# KiCad board DecentXE.kicad_pcb
title: Decent XE Keyboard; date: 2023-08-01; rev: 14; company: Decent Consulting
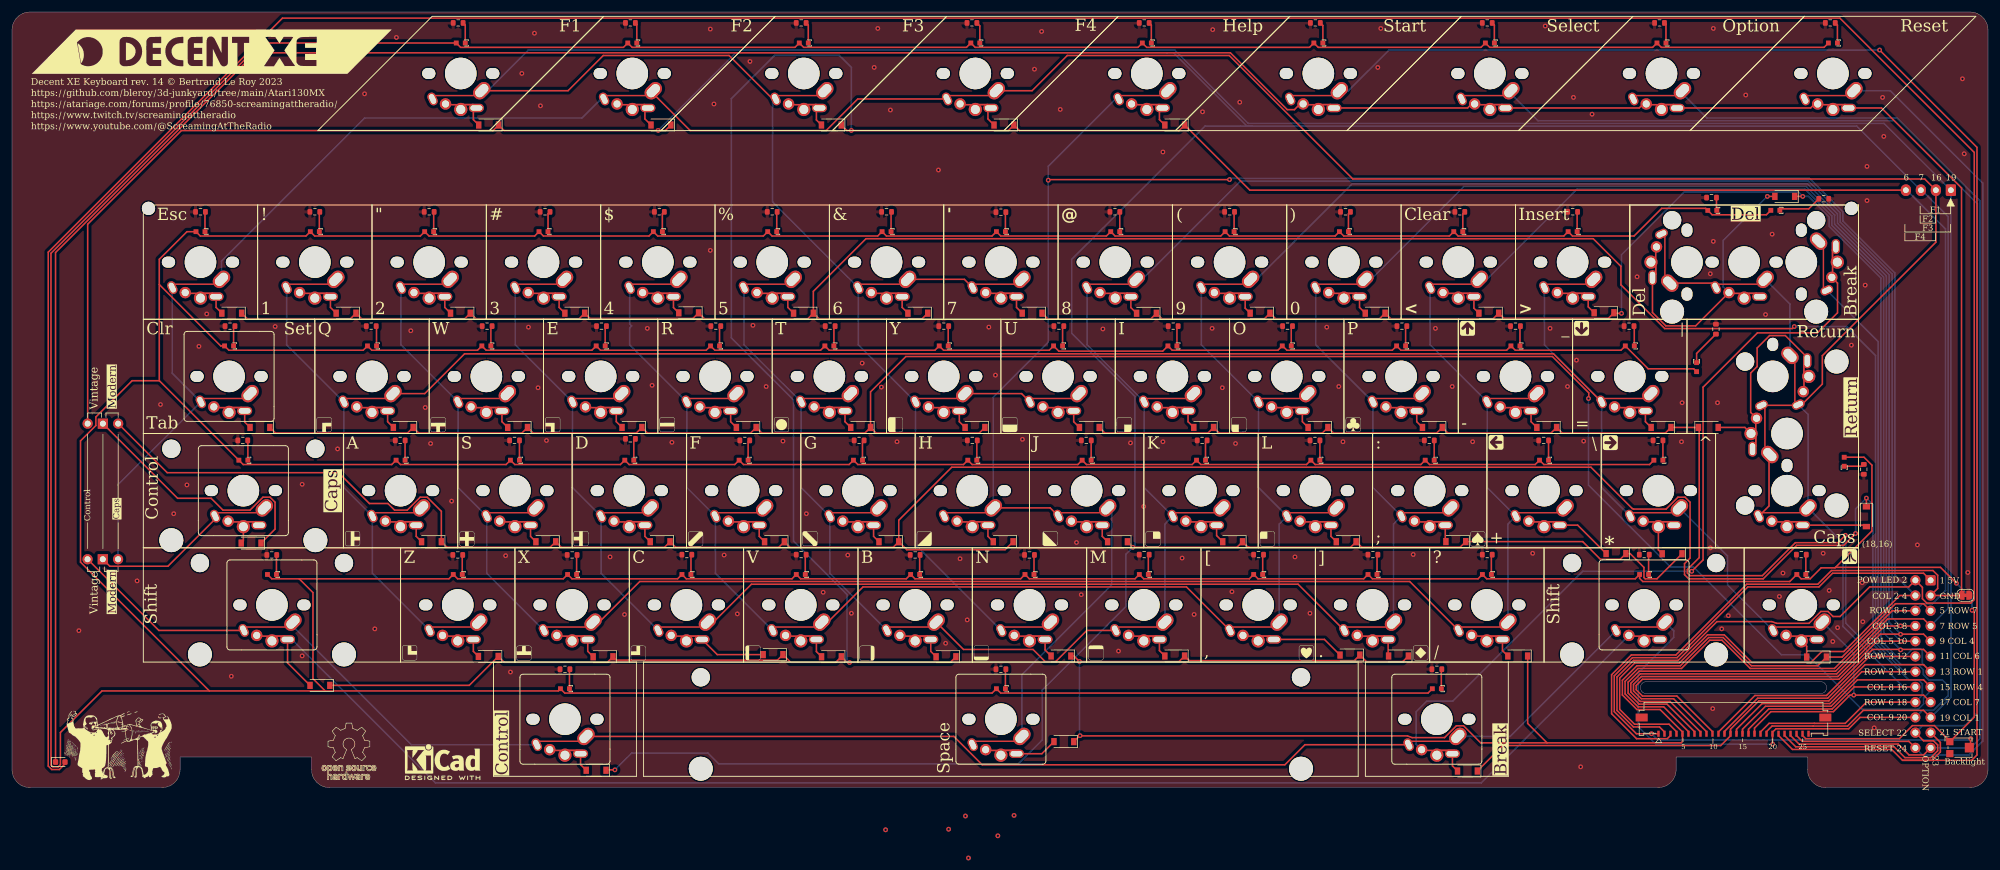
[diagram p0: board, top side]
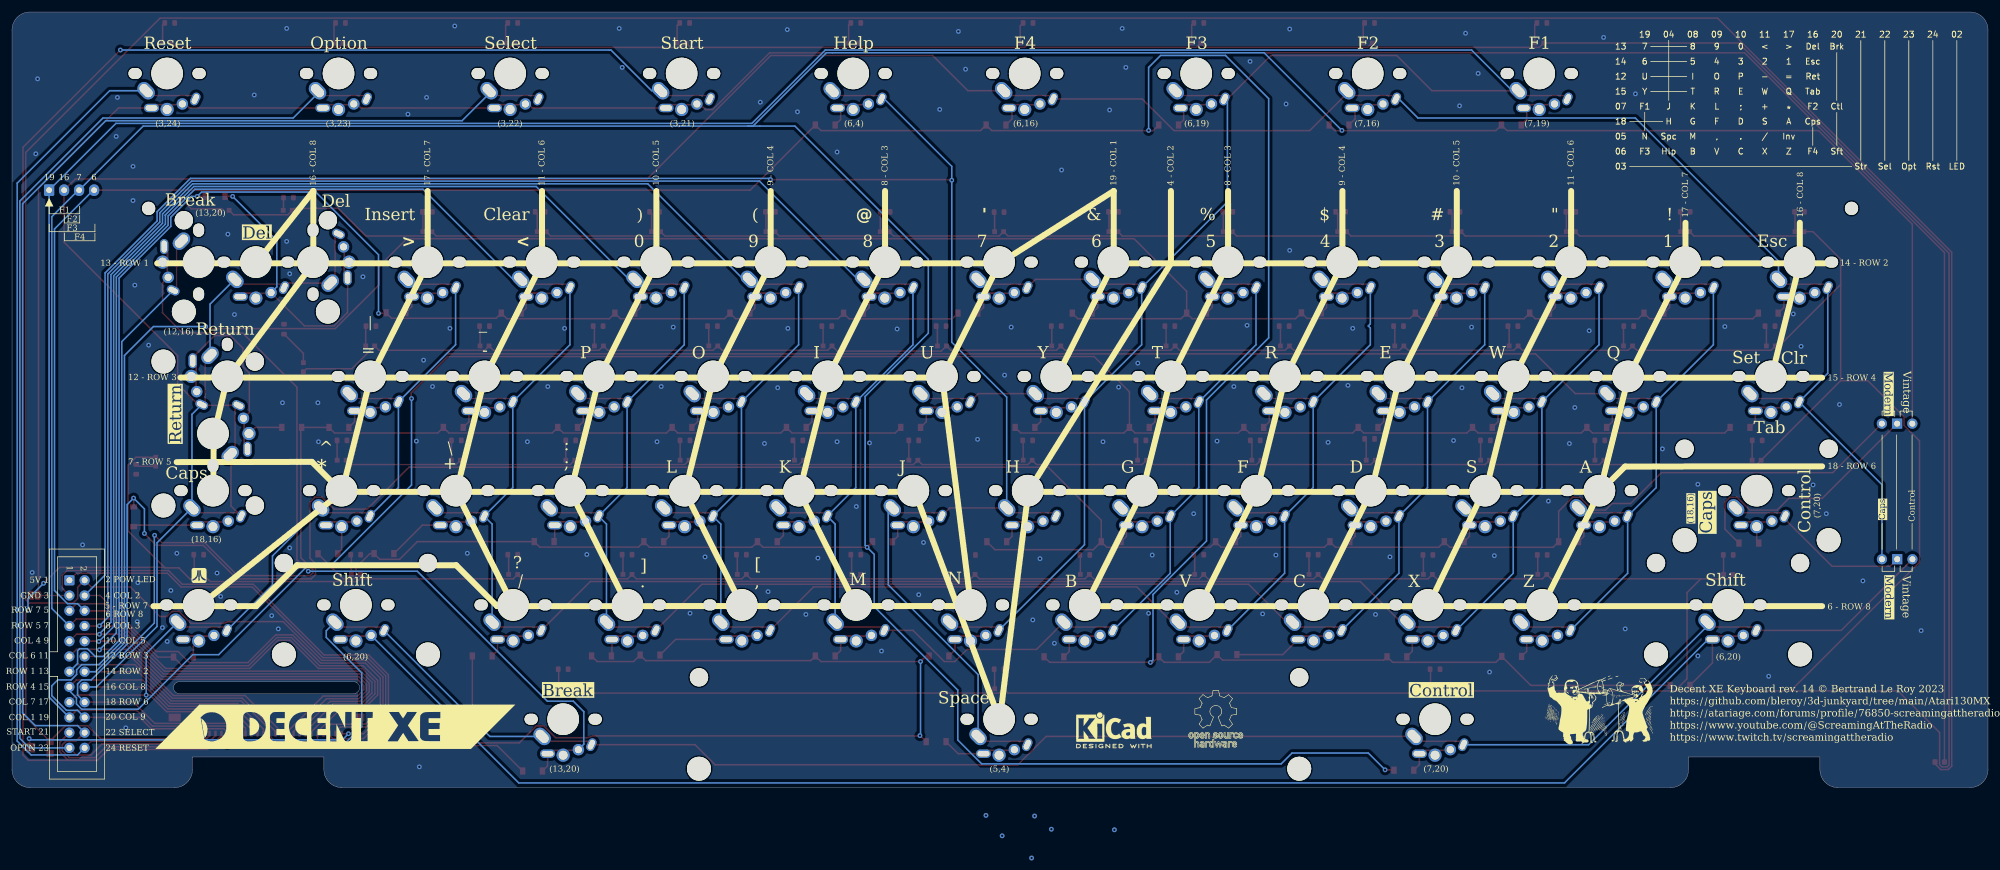
[diagram p1: board, bottom side, seen from below]

Outline 329.2 x 129.3 mm; copper layers: Top, Bottom. Coordinates in mm from the lower left corner of the outline.
Outline path: 0,126.3 0,3 arc(0.88,0.88) 3,0 25,0 arc(27.12,0.88) 28,3 28,5.1 49.9,5.1 49.9,3 arc(50.78,0.88) 52.9,0 274.24,0 arc(276.36,0.88) 277.24,3 277.24,5.1 299.14,5.1 299.14,3 arc(300.02,0.88) 302.14,0 326.2,0 arc(328.32,0.88) 329.2,3 329.2,126.3 arc(328.32,128.42) 326.2,129.3 3,129.3 arc(0.88,128.42) 0,126.3 ; 272.3,17.66 301.3,17.66 arc(302.3,16.66) 301.3,15.66 272.3,15.66 arc(271.3,16.66) 272.3,17.66
Stack: Top 0.035mm / dielectric 1.51mm FR4 er 4.5 / Bottom 0.035mm

## Placement (name value [footprint] x y rotation side)
D1  LED  [LED_0603_1608Metric]  8.04 4.26 0 top
D2  1N4148W  [D_SOD-123]  39.84 40.76 180 top
D68  1N4148W  [D_SOD-123]  169.96 79.09 180 top
D69  1N4148W  [D_SOD-123]  150.91 79.09 180 top
D70  1N4148W  [D_SOD-123]  179.48 60.04 180 top
D71  1N4148W  [D_SOD-123]  160.43 60.04 180 top
D72  1N4148W  [D_SOD-123]  79.41 110.46 180 top
D73  1N4148W  [D_SOD-123]  174.76 21.94 180 top
D74  1N4148W  [D_SOD-123]  136.51 110.46 180 top
D75  1N4148W  [D_SOD-123]  184.18 40.99 180 top
D76  1N4148W  [D_SOD-123]  165.13 40.99 180 top
D77  1N4148W  [D_SOD-123]  175.24 7.66 180 top
D78  1N4148W  [D_SOD-123]  193.71 110.46 180 top
D79  1N4148W  [D_SOD-123]  189.01 79.07 180 top
D80  1N4148W  [D_SOD-123]  131.86 79.09 180 top
D81  1N4148W  [D_SOD-123]  198.53 60.04 180 top
D82  1N4148W  [D_SOD-123]  141.38 60.04 180 top
D83  1N4148W  [D_SOD-123]  203.36 40.99 180 top
D84  1N4148W  [D_SOD-123]  146.08 40.99 180 top
D85  1N4148W  [D_SOD-123]  193.71 21.94 180 top
D86  1N4148W  [D_SOD-123]  155.61 21.81 180 top
D87  1N4148W  [D_SOD-123]  207.93 79.09 180 top
D88  1N4148W  [D_SOD-123]  112.73 79.14 180 top
D89  1N4148W  [D_SOD-123]  217.58 60.04 180 top
D90  1N4148W  [D_SOD-123]  122.33 60.04 180 top
D91  1N4148W  [D_SOD-123]  222.28 40.99 180 top
D92  1N4148W  [D_SOD-123]  127.03 40.99 180 top
D93  1N4148W  [D_SOD-123]  222.9 22.09 180 top
D94  1N4148W  [D_SOD-123]  136.52 21.81 180 top
D95  1N4148W  [D_SOD-123]  227.11 79.09 180 top
D96  1N4148W  [D_SOD-123]  93.76 79.09 180 top
D97  1N4148W  [D_SOD-123]  236.63 60.04 180 top
D98  1N4148W  [D_SOD-123]  103.28 60.04 180 top
D99  1N4148W  [D_SOD-123]  240.54 41.01 180 top
D100  1N4148W  [D_SOD-123]  107.98 40.99 180 top
D101  1N4148W  [D_SOD-123]  230.99 21.94 180 top
D102  1N4148W  [D_SOD-123]  126.79 22.17 180 top
D103  1N4148W  [D_SOD-123]  246.03 79.09 180 top
D104  1N4148W  [D_SOD-123]  74.71 79.09 180 top
D105  1N4148W  [D_SOD-123]  255.68 60.04 180 top
D106  1N4148W  [D_SOD-123]  84.23 60.04 180 top
D107  1N4148W  [D_SOD-123]  267.23 39.01 180 top
D108  1N4148W  [D_SOD-123]  88.93 40.99 180 top
D109  1N4148W  [D_SOD-123]  250.86 21.94 180 top
D110  1N4148W  [D_SOD-123]  98.47 21.81 180 top
D111  1N4148W  [D_SOD-123]  265.23 79.16 180 top
D112  1N4148W  [D_SOD-123]  55.66 79.09 180 top
D113  1N4148W  [D_SOD-123]  274.73 60.04 180 top
D114  1N4148W  [D_SOD-123]  65.18 60.04 180 top
D115  1N4148W  [D_SOD-123]  276.57 38.99 180 top
D116  1N4148W  [D_SOD-123]  69.88 40.99 180 top
D117  1N4148W  [D_SOD-123]  300.64 21.76 180 top
D118  1N4148W  [D_SOD-123]  79.35 21.87 180 top
D119  1N4148W  [D_SOD-123]  295.34 98.56 180 top
D120  1N4148W  [D_SOD-123]  36.61 79.09 180 top
D121  1N4148W  [D_SOD-123]  282.61 60.04 0 top
D122  1N4148W  [D_SOD-123]  41.31 60.04 180 top
D123  1N4148W  [D_SOD-123]  108.11 110.46 180 top
D124  1N4148W  [D_SOD-123]  308.94 45.16 270 top
D125  1N4148W  [D_SOD-123]  165.26 110.46 180 top
D126  1N4148W  [D_SOD-123]  242.47 2.76 180 top
D127  1N4148W  [D_SOD-123]  97.31 2.89 180 top
D128  1N4148W  [D_SOD-123]  51.3 17.04 180 top
G***  -  [LOGO]  66.24 22.46 0 top
G***#2  -  [LOGO]  51.99 60.51 0 top
G***#3  -  [LOGO]  142.44 22.41 0 top
G***#4  -  [LOGO]  123.44 22.46 0 top
G***#5  -  [LOGO]  180.59 22.46 0 top
G***#6  -  [LOGO]  185.29 60.51 0 top
G***#7  -  [LOGO]  109.14 60.51 0 top
G***#8  -  [LOGO]  94.79 41.51 0 top
G***#9  -  [LOGO]  247.24 57.56 270 top
G***#10  -  [LOGO]  204.39 60.51 0 top
G***#11  -  [LOGO]  33.27 122.7 0 top
G***#12  -  [LOGO]  75.79 41.46 0 top
G***#13  -  [LOGO]  56.74 41.51 0 top
G***#14  -  [LOGO]  172.94 41.51 0 top
G***#15  -  [LOGO]  128.19 60.51 0 top
G***#16  -  [LOGO]  113.89 41.46 0 top
G***#17  -  [LOGO]  242.49 76.56 180 top
G***#18  -  [LOGO]  90.09 60.51 0 top
G***#19  -  [LOGO]  215.64 22.46 0 top
G***#20  -  [LOGO]  147.19 60.51 0 top
G***#21  -  [LOGO]  209.14 41.46 0 top
G***#22  -  [LOGO]  85.29 22.41 0 top
G***#23  -  [LOGO]  132.94 41.51 0 top
G***#24  -  [LOGO]  223.44 60.51 0 top
G***#25  -  [LOGO]  266.29 57.51 90 top
G***#26  -  [LOGO]  70.99 60.51 0 top
G***#27  -  [LOGO]  261.49 76.56 0 top
G***#28  -  [LOGO]  166.24 60.51 0 top
G***#29  LOGO  [ScreamingAtTheRadio]  17.77 8.1 0 top
G***#30  -  [LOGO]  244.19 41.46 0 top
G***#31  -  [LOGO]  190.09 41.46 0 top
G***#32  -  [LOGO]  234.69 22.46 0 top
G***#33  -  [LOGO]  161.49 22.46 0 top
G***#34  -  [LOGO]  151.99 41.51 0 top
G***#35  -  [LOGO]  104.34 22.41 0 top
G***#36  -  [LOGO]  306.14 38.51 0 top
G***#37  -  [LOGO]  298.04 35.36 180 bottom
G***#38  -  [LOGO]  275.34 10.16 180 bottom
G***#39  LOGO  [ScreamingAtTheRadio]  64.71 14.05 180 bottom
J1  Conn_02x12_Odd_Even  [IDC-Header_2x12_P2.54mm_Vertical]  319.64 34.56 180 bottom
J2  Conn_01x26  [Molex_200528-0260_1x26-1MP_P1.00mm_Horizontal]  286.8 9.89 180 top
J3  Conn_01x04  [JST_EH_S4B-EH_1x04_P2.50mm_Horizontal]  323.02 99.6 180 bottom
JP1  Jumper_3_Bridged12  [PinHeader_1x03_P2.54mm_Horizontal]  17.67 38.07 270 top
JP2  Jumper_3_Bridged12  [PinHeader_1x03_P2.54mm_Horizontal]  12.6 60.68 90 top
JP4  SolderJumper_2_Bridged  [SolderJumper-2_P1.3mm_Bridged_RoundedPad1.0x1.5mm]  325.44 32.06 0 top
R1  R  [R_0603_1608Metric]  164.75 95.93 180 top
R2  R  [R_0603_1608Metric]  145.7 95.98 180 top
R3  R  [R_0603_1608Metric]  174.4 76.93 180 top
R4  R  [R_0603_1608Metric]  155.23 76.93 180 top
R5  R  [R_0603_1608Metric]  74.33 127.48 180 top
R6  R  [R_0603_1608Metric]  169.51 38.78 180 top
R7  R  [R_0603_1608Metric]  131.48 127.48 180 top
R8  R  [R_0603_1608Metric]  178.97 57.88 180 top
R9  R  [R_0603_1608Metric]  159.99 57.88 180 top
R10  R  [R_0603_1608Metric]  164.75 19.73 180 top
R11  R  [R_0603_1608Metric]  188.63 127.48 180 top
R12  R  [R_0603_1608Metric]  183.74 95.98 180 top
R13  R  [R_0603_1608Metric]  126.65 95.98 180 top
R14  R  [R_0603_1608Metric]  193.45 76.93 180 top
R15  R  [R_0603_1608Metric]  136.3 76.93 180 top
R16  R  [R_0603_1608Metric]  198.28 57.88 180 top
R17  R  [R_0603_1608Metric]  141.13 57.88 180 top
R18  R  [R_0603_1608Metric]  188.63 38.83 180 top
R19  R  [R_0603_1608Metric]  150.46 38.78 180 top
R20  R  [R_0603_1608Metric]  202.85 95.98 180 top
R21  R  [R_0603_1608Metric]  107.85 95.98 180 top
R22  R  [R_0603_1608Metric]  212.5 76.93 180 top
R23  R  [R_0603_1608Metric]  117.25 76.93 180 top
R24  R  [R_0603_1608Metric]  217.07 57.88 180 top
R25  R  [R_0603_1608Metric]  122.08 57.88 180 top
R26  R  [R_0603_1608Metric]  207.68 38.83 180 top
R27  R  [R_0603_1608Metric]  131.48 38.83 180 top
R28  R  [R_0603_1608Metric]  222.15 95.98 180 top
R29  R  [R_0603_1608Metric]  88.8 95.98 180 top
R30  R  [R_0603_1608Metric]  231.55 76.93 180 top
R31  R  [R_0603_1608Metric]  98.2 76.93 180 top
R32  R  [R_0603_1608Metric]  236.12 57.88 180 top
R33  R  [R_0603_1608Metric]  103.03 58.14 180 top
R34  R  [R_0603_1608Metric]  226.73 38.83 180 top
R35  R  [R_0603_1608Metric]  112.43 38.83 180 top
R36  R  [R_0603_1608Metric]  241.2 95.98 180 top
R37  R  [R_0603_1608Metric]  69.5 95.98 180 top
R38  R  [R_0603_1608Metric]  250.47 76.93 180 top
R39  R  [R_0603_1608Metric]  79.15 76.93 180 top
R40  R  [R_0603_1608Metric]  255.17 57.88 180 top
R41  R  [R_0603_1608Metric]  83.72 57.88 180 top
R42  R  [R_0603_1608Metric]  245.78 38.83 180 top
R43  R  [R_0603_1608Metric]  93.31 38.78 180 top
R44  R  [R_0603_1608Metric]  260 95.98 180 top
R45  R  [R_0603_1608Metric]  50.45 95.98 180 top
R46  R  [R_0603_1608Metric]  269.4 76.93 180 top
R47  R  [R_0603_1608Metric]  59.85 76.93 180 top
R48  R  [R_0603_1608Metric]  274.22 57.88 180 top
R49  R  [R_0603_1608Metric]  64.67 57.88 180 top
R50  R  [R_0603_1608Metric]  298.1 38.83 180 top
R51  R  [R_0603_1608Metric]  74.26 38.78 180 top
R52  R  [R_0603_1608Metric]  283.14 98.36 180 top
R53  R  [R_0603_1608Metric]  31.4 95.98 0 top
R54  R  [R_0603_1608Metric]  283.88 76.42 90 top
R55  R  [R_0603_1608Metric]  36.32 76.93 180 top
R56  R  [R_0603_1608Metric]  103.03 127.48 180 top
R57  R  [R_0603_1608Metric]  308.51 53.06 270 top
R58  R  [R_0603_1608Metric]  159.92 127.48 180 top
R59  R  [R_0603_1608Metric]  271.94 38.83 180 top
R60  R  [R_0603_1608Metric]  301.84 98.16 0 top
R61  R  [R_0603_1608Metric]  92.12 19.73 180 top
R62  R  [R_0603_1608Metric]  43.27 38.78 180 top
R63  R  [R_0603_1608Metric]  217.14 127.48 180 top
R64  R  [R_0603_1608Metric]  245.78 127.48 180 top
R65  R  [R_0603_1608Metric]  274.48 127.48 180 top
R66  R  [R_0603_1608Metric]  302.93 127.48 180 top
R67  R  [R_0603_1608Metric]  38.45 57.88 180 top
R68  R  [R_0603_1608Metric]  237.38 19.73 0 top
REF**  -  [MountingHole_2.2mm_M2]  306.44 96.56 0 top
REF**#2  -  [MountingHole_2.2mm_M2]  22.74 96.56 0 top
REF**#3  -  [KiCad-Logo2_5mm_SilkScreen]  71.74 4.26 0 top
REF**#4  -  [OSH_logo]  56.14 7.36 0 top
REF**#5  -  [KiCad-Logo2_5mm_SilkScreen]  145.64 9.56 180 bottom
REF**#6  -  [AtariXE_Matrix]  31.19 115.06 180 bottom
REF**#7  -  [OSH_logo]  128.64 12.79 180 bottom
RV1  R_Potentiometer  [Potentiometer_Bourns_TC33X_Vertical]  324.64 6.66 0 top
SW0  SW_Push_45deg  [MX-1-00U-LED]  221.9 92.68 0 top
SW1  SW_Push_45deg  [MX-1-00U-LED]  50.45 92.68 0 top
SW2  SW_Push_45deg  [MX-1-00U-LED]  69.5 92.68 0 top
SW3  SW_Push_45deg  [MX-1-00U-LED]  88.55 92.68 0 top
SW4  SW_Push_45deg  [MX-1-00U-LED]  107.6 92.68 0 top
SW5  SW_Push_45deg  [MX-1-00U-LED]  126.65 92.68 0 top
SW6  SW_Push_45deg  [MX-1-00U-LED]  145.7 92.68 0 top
SW7  SW_Push_45deg  [MX-1-00U-LED]  164.75 92.68 0 top
SW8  SW_Push_45deg  [MX-1-00U-LED]  183.8 92.68 0 top
SW9  SW_Push_45deg  [MX-1-00U-LED]  202.85 92.68 0 top
SWA1  SW_Push_45deg  [MX-1-00U-LED]  64.74 54.58 0 top
SWB1  SW_Push_45deg  [MX-1-00U-LED]  150.46 35.53 0 top
SWBrk1  SW_Push_45deg  [MX-1-00U-LED#3]  293.77 96.24 0 top
SWBrk2  SW_Push_45deg  [MX-1-25U-LED#2]  237.38 16.48 0 top
SWC1  SW_Push_45deg  [MX-1-00U-LED]  112.36 35.53 0 top
SWComma1  SW_Push_45deg  [MX-1-00U-LED]  207.61 35.53 0 top
SWCps1  SW_Push_45deg  [MX-1-25U-LED]  305.24 54.32 0 top
SWCtl1  SW_Push_45deg  [MX-1-25U-LED#2]  92.12 16.48 0 top
SWCtlCaps1  SW_Push_45deg  [MX-1-75U-LED]  38.54 54.58 0 top
SWD1  SW_Push_45deg  [MX-1-00U-LED]  102.84 54.58 0 top
SWDash1  SW_Push_45deg  [MX-1-00U-LED]  250.47 73.63 0 top
SWDel1  SW_Push_45deg  [MX-1-00U-LED#2]  283.27 96.22 0 top
SWDel2  SWITCH  [MX-2-00U]  288.57 87.6 0 top
SWE1  SW_Push_45deg  [MX-1-00U-LED]  98.08 73.63 0 top
SWEqual1  SW_Push_45deg  [MX-1-00U-LED]  269.52 73.63 0 top
SWEsc1  SW_Push_45deg  [MX-1-00U-LED]  31.4 92.68 0 top
SWF1  SW_Push_45deg  [MX-1-00U-LED]  121.89 54.58 0 top
SWFn1  SW_Push_45deg  [MX-1-50U-Atari-Fn-LED]  74.76 124.13 0 top
SWFn2  SW_Push_45deg  [MX-1-50U-Atari-Fn-LED]  103.34 124.13 0 top
SWFn3  SW_Push_45deg  [MX-1-50U-Atari-Fn-LED]  131.91 124.13 0 top
SWFn4  SW_Push_45deg  [MX-1-50U-Atari-Fn-LED]  160.49 124.13 0 top
SWG1  SW_Push_45deg  [MX-1-00U-LED]  140.94 54.58 0 top
SWGT1  SW_Push_45deg  [MX-1-00U-LED]  260 92.68 0 top
SWH1  SW_Push_45deg  [MX-1-00U-LED]  159.99 54.58 0 top
SWHlp1  SW_Push_45deg  [MX-1-50U-Atari-Fn-LED]  189.06 124.13 0 top
SWI1  SW_Push_45deg  [MX-1-00U-LED]  193.32 73.63 0 top
SWInv1  SW_Push_45deg  [MX-1-00U-LED]  298.1 35.53 0 top
SWJ1  SW_Push_45deg  [MX-1-00U-LED]  179.04 54.58 0 top
SWK1  SW_Push_45deg  [MX-1-00U-LED]  198.09 54.58 0 top
SWL1  SW_Push_45deg  [MX-1-00U-LED]  217.14 54.58 0 top
SWLeftSft1  SW_Push_45deg  [MX-2-25U-LED]  43.31 35.53 0 top
SWLT1  SW_Push_45deg  [MX-1-00U-LED]  240.95 92.68 0 top
SWM1  SW_Push_45deg  [MX-1-00U-LED]  188.56 35.53 0 top
SWN1  SW_Push_45deg  [MX-1-00U-LED]  169.51 35.53 0 top
SWO1  SW_Push_45deg  [MX-1-00U-LED]  212.38 73.63 0 top
SWOption1  SW_Push_45deg  [MX-1-50U-Atari-Fn-LED]  274.8 124.13 0 top
SWP1  SW_Push_45deg  [MX-1-00U-LED]  231.43 73.63 0 top
SWPeriod1  SW_Push_45deg  [MX-1-00U-LED]  226.66 35.53 0 top
SWPlus1  SW_Push_45deg  [MX-1-00U-LED]  255.24 54.58 0 top
SWQ1  SW_Push_45deg  [MX-1-00U-LED]  59.97 73.63 0 top
SWR1  SW_Push_45deg  [MX-1-00U-LED]  117.13 73.63 0 top
SWReset1  SW_Push_45deg  [MX-1-50U-Atari-Fn-LED]  303.36 124.13 0 top
SWRet1  SW_Push_45deg  [MX-1-50U-LED]  280.65 70.09 0 top
SWRet2  SWITCH  [MX-ISO-RETURN]  295.72 59.02 0 top
SWRightSft1  SW_Push_45deg  [MX-1-75U-LED]  271.91 35.53 0 top
SWS1  SW_Push_45deg  [MX-1-00U-LED]  83.79 54.58 0 top
SWSelect1  SW_Push_45deg  [MX-1-50U-Atari-Fn-LED]  246.21 124.13 0 top
SWSemi1  SW_Push_45deg  [MX-1-00U-LED]  236.19 54.58 0 top
SWSlash1  SW_Push_45deg  [MX-1-00U-LED]  245.71 35.53 0 top
SWSpc1  SW_Push_45deg  [MX-6-25U-LED]  164.75 16.48 0 top
SWStar1  SW_Push_45deg  [MX-1-00U-LED]  274.29 54.58 0 top
SWStart1  SW_Push_45deg  [MX-1-50U-Atari-Fn-LED]  217.64 124.13 0 top
SWT1  SW_Push_45deg  [MX-1-00U-LED]  136.18 73.63 0 top
SWTab1  SW_Push_45deg  [MX-1-50U-LED#2]  36.16 73.63 0 top
SWU1  SW_Push_45deg  [MX-1-00U-LED]  174.27 73.63 0 top
SWV1  SW_Push_45deg  [MX-1-00U-LED]  131.41 35.53 0 top
SWW1  SW_Push_45deg  [MX-1-00U-LED]  79.03 73.63 0 top
SWX1  SW_Push_45deg  [MX-1-00U-LED]  93.31 35.53 0 top
SWY1  SW_Push_45deg  [MX-1-00U-LED]  155.23 73.63 0 top
SWZ1  SW_Push_45deg  [MX-1-00U-LED]  74.26 35.53 0 top

## Library data of the parts
D1 = -: Description: Light emitting diode
D2 D68-D128 = -: Description: 75V 0.15A Fast Switching Diode, SOD-123
J1 = -: Description: Generic connector, double row, 02x12, odd/even pin numbering scheme (row 1 odd numbers, row 2 even numbers), script generated (kicad-library-utils/schlib/autogen/connector/)
J2 = -: Description: Generic connector, single row, 01x26, script generated (kicad-library-utils/schlib/autogen/connector/)
J3 = -: Description: Generic connector, single row, 01x04, script generated (kicad-library-utils/schlib/autogen/connector/)
JP1 JP2 = -: Description: Jumper, 3-pole, pins 1+2 closed/bridged
JP4 = -: Description: Solder Jumper, 2-pole, open
R1-R68 = -: Description: Resistor
RV1 = -: Description: Potentiometer; Field4: Wiper may be / anywhere within / circle shown

## Footprints (pads in the part's own frame, mm; a bottom-side part is the same pattern mirrored in y, then rotated)
D_SOD-123
  rect 0.9x1.2 smd: 1(-1.65,0) 2(1.65,0)
IDC-Header_2x12_P2.54mm_Vertical
  rrect 1.7x1.7 hole 1: 1(0,0)
  round 1.7 hole 1: 2(2.54,0) 3(0,-2.54) 4(2.54,-2.54) 5(0,-5.08) 6(2.54,-5.08) 7(0,-7.62) 8(2.54,-7.62) 9(0,-10.16) 10(2.54,-10.16) 11(0,-12.7) 12(2.54,-12.7) 13(0,-15.24) 14(2.54,-15.24) 15(0,-17.78) 16(2.54,-17.78) 17(0,-20.32) 18(2.54,-20.32) 19(0,-22.86) 20(2.54,-22.86) 21(0,-25.4) 22(2.54,-25.4) 23(0,-27.94) 24(2.54,-27.94)
JST_EH_S4B-EH_1x04_P2.50mm_Horizontal
  rrect 1.7x1.95 hole 0.95: 1(0,0)
  oval 1.7x1.95 hole 0.95: 2(2.5,0) 3(5,0) 4(7.5,0)
LED_0603_1608Metric
  rrect 0.875x0.95 smd: 1(-0.787,0) 2(0.787,0)
Molex_200528-0260_1x26-1MP_P1.00mm_Horizontal
  rect 0.4x1 smd: 1(12.5,0.91) 2(11.5,0.91) 3(10.5,0.91) 4(9.5,0.91) 5(8.5,0.91) 6(7.5,0.91) 7(6.5,0.91) 8(5.5,0.91) 9(4.5,0.91) 10(3.5,0.91) 11(2.5,0.91) 12(1.5,0.91) 13(0.5,0.91) 14(-0.5,0.91) 15(-1.5,0.91) 16(-2.5,0.91) 17(-3.5,0.91) 18(-4.5,0.91) 19(-5.5,0.91) 20(-6.5,0.91) 21(-7.5,0.91) 22(-8.5,0.91) 23(-9.5,0.91) 24(-10.5,0.91) 25(-11.5,0.91) 26(-12.5,0.91)
  rect 2x1.3 smd: MP(-15.3,-1.79) MP(15.3,-1.79)
MountingHole_2.2mm_M2
  round 2.2 hole 2.2 unplated: (0,0)
MX-1-00U-LED
  oval 2.2x1.8 hole 2.2x1.8 unplated: (-5.33,-5.08) (5.33,-5.08)
  round 5.25 hole 5.25 unplated: (0,-5.08)
  oval 1.4x2.2 hole 0.9x1.7 rot 25: 1(-4.7,-9.33)
  rect 6.833x0.229 smd: 1(-1.219,-8.763)
  oval 3.2x2.2 hole 2.5x1.5 rot 45: 1(3.5,-7.95)
  round 1.9 hole 1.2: 2(-2.54,-10.16)
  rect 1.312x0.254 smd: 2(-1.27,-10.287)
  round 2.2 hole 1.5: 2(0,-11.08)
  rect 1.758x0.284 smd: 2(1.26,-10.272)
  oval 2.5x1.4 hole 2x0.9: 2(2.6,-10.83)
  rect 0.8x0.8 smd: 3(0.75,0) 4(-0.75,0)
MX-1-00U-LED#2
  oval 1.8x2.2 hole 1.8x2.2 unplated: (-4.216,-3.293) (-4.216,-13.953)
  round 5.25 hole 5.25 unplated: (-4.216,-8.623)
  oval 1.4x2.2 hole 0.9x1.7 rot 115: 1(-8.466,-3.923)
  rect 0.229x6.833 smd: 1(-7.899,-7.404)
  oval 3.2x2.2 hole 2.5x1.5 rot 135: 1(-7.086,-12.123)
  round 2.2 hole 1.5: 2(-10.216,-8.623)
  oval 1.4x2.5 hole 0.9x2: 2(-9.966,-11.223)
  rect 0.254x1.312 smd: 2(-9.423,-7.353)
  rect 0.284x1.758 smd: 2(-9.408,-9.883)
  round 1.9 hole 1.2: 2(-9.296,-6.083)
  rect 0.8x0.8 smd: 3(0.75,0) 4(-0.75,0)
MX-1-00U-LED#3
  oval 1.8x2.2 hole 1.8x2.2 unplated: (4.33,-3.306) (4.33,-13.966)
  round 5.25 hole 5.25 unplated: (4.33,-8.636)
  oval 3.2x2.2 hole 2.5x1.5 rot 135: 1(7.2,-5.136)
  rect 0.229x6.833 smd: 1(8.013,-9.855)
  oval 1.4x2.2 hole 0.9x1.7 rot 115: 1(8.58,-13.336)
  round 1.9 hole 1.2: 2(9.41,-11.176)
  rect 0.284x1.758 smd: 2(9.522,-7.376)
  rect 0.254x1.312 smd: 2(9.537,-9.906)
  oval 1.4x2.5 hole 0.9x2: 2(10.08,-6.036)
  round 2.2 hole 1.5: 2(10.33,-8.636)
  rect 0.8x0.8 smd: 3(0.75,0) 4(-0.75,0)
MX-1-25U-LED
  oval 2.2x1.8 hole 2.2x1.8 unplated: (-14.855,-4.822) (-4.195,-4.822)
  round 5.25 hole 5.25 unplated: (-9.525,-4.822)
  oval 1.4x2.2 hole 0.9x1.7 rot 25: 1(-14.225,-9.072)
  rect 6.833x0.229 smd: 1(-10.744,-8.505)
  oval 3.2x2.2 hole 2.5x1.5 rot 45: 1(-6.025,-7.692)
  round 1.9 hole 1.2: 2(-12.065,-9.902)
  rect 1.312x0.254 smd: 2(-10.795,-10.029)
  round 2.2 hole 1.5: 2(-9.525,-10.822)
  rect 1.758x0.284 smd: 2(-8.265,-10.014)
  oval 2.5x1.4 hole 2x0.9: 2(-6.925,-10.572)
  rect 0.8x0.8 smd: 3(0,-0.75) 4(0,0.75)
MX-1-25U-LED#2
  oval 2.2x1.8 hole 2.2x1.8 unplated: (-5.33,-5.08) (5.33,-5.08)
  round 5.25 hole 5.25 unplated: (0,-5.08)
  oval 1.4x2.2 hole 0.9x1.7 rot 25: 1(-4.7,-9.33)
  rect 6.833x0.229 smd: 1(-1.219,-8.763)
  oval 3.2x2.2 hole 2.5x1.5 rot 45: 1(3.5,-7.95)
  round 1.9 hole 1.2: 2(-2.54,-10.16)
  rect 1.312x0.254 smd: 2(-1.27,-10.287)
  round 2.2 hole 1.5: 2(0,-11.08)
  rect 1.758x0.284 smd: 2(1.26,-10.272)
  oval 2.5x1.4 hole 2x0.9: 2(2.6,-10.83)
  rect 0.8x0.8 smd: 3(0.75,0) 4(-0.75,0)
MX-1-50U-Atari-Fn-LED
  oval 2.2x1.8 hole 2.2x1.8 unplated: (-5.33,-5.08) (5.33,-5.08)
  round 5.25 hole 5.25 unplated: (0,-5.08)
  oval 1.4x2.2 hole 0.9x1.7 rot 25: 1(-4.7,-9.33)
  rect 6.833x0.229 smd: 1(-1.219,-8.763)
  oval 3.2x2.2 hole 2.5x1.5 rot 45: 1(3.5,-7.95)
  round 1.9 hole 1.2: 2(-2.54,-10.16)
  rect 1.312x0.254 smd: 2(-1.27,-10.287)
  round 2.2 hole 1.5: 2(0,-11.08)
  rect 1.758x0.284 smd: 2(1.26,-10.272)
  oval 2.5x1.4 hole 2x0.9: 2(2.6,-10.83)
  rect 0.8x0.8 smd: 3(0.75,0) 4(-0.75,0)
MX-1-50U-LED
  oval 1.8x2.2 hole 1.8x2.2 unplated: (12.683,3.79)
  round 5.25 hole 5.25 unplated: (12.683,-1.54)
  oval 3.2x2.2 hole 2.5x1.5 rot 135: 1(15.553,1.96)
  rect 0.229x6.833 smd: 1(16.366,-2.759)
  oval 1.4x2.2 hole 0.9x1.7 rot 115: 1(16.933,-6.24)
  round 1.9 hole 1.2: 2(17.763,-4.08)
  rect 0.284x1.758 smd: 2(17.875,-0.28)
  rect 0.254x1.312 smd: 2(17.89,-2.81)
  oval 1.4x2.5 hole 0.9x2: 2(18.433,1.06)
  round 2.2 hole 1.5: 2(18.683,-1.54)
  rect 0.8x0.8 smd: 3(0,0.75) 4(0,-0.75)
MX-1-50U-LED#2
  oval 2.2x1.8 hole 2.2x1.8 unplated: (-5.33,-5.08) (5.33,-5.08)
  round 5.25 hole 5.25 unplated: (0,-5.08)
  oval 1.4x2.2 hole 0.9x1.7 rot 25: 1(-4.7,-9.33)
  rect 6.833x0.229 smd: 1(-1.219,-8.763)
  oval 3.2x2.2 hole 2.5x1.5 rot 45: 1(3.5,-7.95)
  round 1.9 hole 1.2: 2(-2.54,-10.16)
  rect 1.312x0.254 smd: 2(-1.27,-10.287)
  round 2.2 hole 1.5: 2(0,-11.08)
  rect 1.758x0.284 smd: 2(1.26,-10.272)
  oval 2.5x1.4 hole 2x0.9: 2(2.6,-10.83)
  rect 0.8x0.8 smd: 3(0.75,0) 4(-0.75,0)
MX-1-75U-LED
  round 3.048 hole 3.048 unplated: (-12,1.905) (12,1.905)
  round 3.988 hole 3.988 unplated: (-12,-13.335) (12,-13.335)
  oval 2.2x1.8 hole 2.2x1.8 unplated: (-5.33,-5.08) (5.33,-5.08)
  round 5.25 hole 5.25 unplated: (0,-5.08)
  oval 1.4x2.2 hole 0.9x1.7 rot 25: 1(-4.7,-9.33)
  rect 6.833x0.229 smd: 1(-1.219,-8.763)
  oval 3.2x2.2 hole 2.5x1.5 rot 45: 1(3.5,-7.95)
  round 1.9 hole 1.2: 2(-2.54,-10.16)
  rect 1.312x0.254 smd: 2(-1.27,-10.287)
  round 2.2 hole 1.5: 2(0,-11.08)
  rect 1.758x0.284 smd: 2(1.26,-10.272)
  oval 2.5x1.4 hole 2x0.9: 2(2.6,-10.83)
  rect 0.8x0.8 smd: 3(0.75,0) 4(-0.75,0)
MX-2-00U
  round 3.048 hole 3.048 unplated: (-12,6.985) (12,6.985)
  round 3.988 hole 3.988 unplated: (-12,-8.255) (12,-8.255)
  oval 2.2x1.8 hole 2.2x1.8 unplated: (-5.33,0) (5.33,0)
  round 5.25 hole 5.25 unplated: (0,0)
  oval 1.4x2.2 hole 0.9x1.7 rot 25: 1(-4.7,-4.25)
  rect 6.833x0.229 smd: 1(-1.219,-3.683)
  oval 3.2x2.2 hole 2.5x1.5 rot 45: 1(3.5,-2.87)
  round 1.9 hole 1.2: 2(-2.54,-5.08)
  rect 1.312x0.254 smd: 2(-1.27,-5.207)
  round 2.2 hole 1.5: 2(0,-6)
  rect 1.758x0.284 smd: 2(1.26,-5.192)
  oval 2.5x1.4 hole 2x0.9: 2(2.6,-5.75)
MX-2-25U-LED
  round 3.048 hole 3.048 unplated: (-12,1.905) (12,1.905)
  round 3.988 hole 3.988 unplated: (-12,-13.335) (12,-13.335)
  oval 2.2x1.8 hole 2.2x1.8 unplated: (-5.33,-5.08) (5.33,-5.08)
  round 5.25 hole 5.25 unplated: (0,-5.08)
  oval 1.4x2.2 hole 0.9x1.7 rot 25: 1(-4.7,-9.33)
  rect 6.833x0.229 smd: 1(-1.219,-8.763)
  oval 3.2x2.2 hole 2.5x1.5 rot 45: 1(3.5,-7.95)
  round 1.9 hole 1.2: 2(-2.54,-10.16)
  rect 1.312x0.254 smd: 2(-1.27,-10.287)
  round 2.2 hole 1.5: 2(0,-11.08)
  rect 1.758x0.284 smd: 2(1.26,-10.272)
  oval 2.5x1.4 hole 2x0.9: 2(2.6,-10.83)
  rect 0.8x0.8 smd: 3(0.75,0) 4(-0.75,0)